# KiCad board AGBM-02_AA_1-1_GBE-plus-CXC.kicad_pcb (continued)
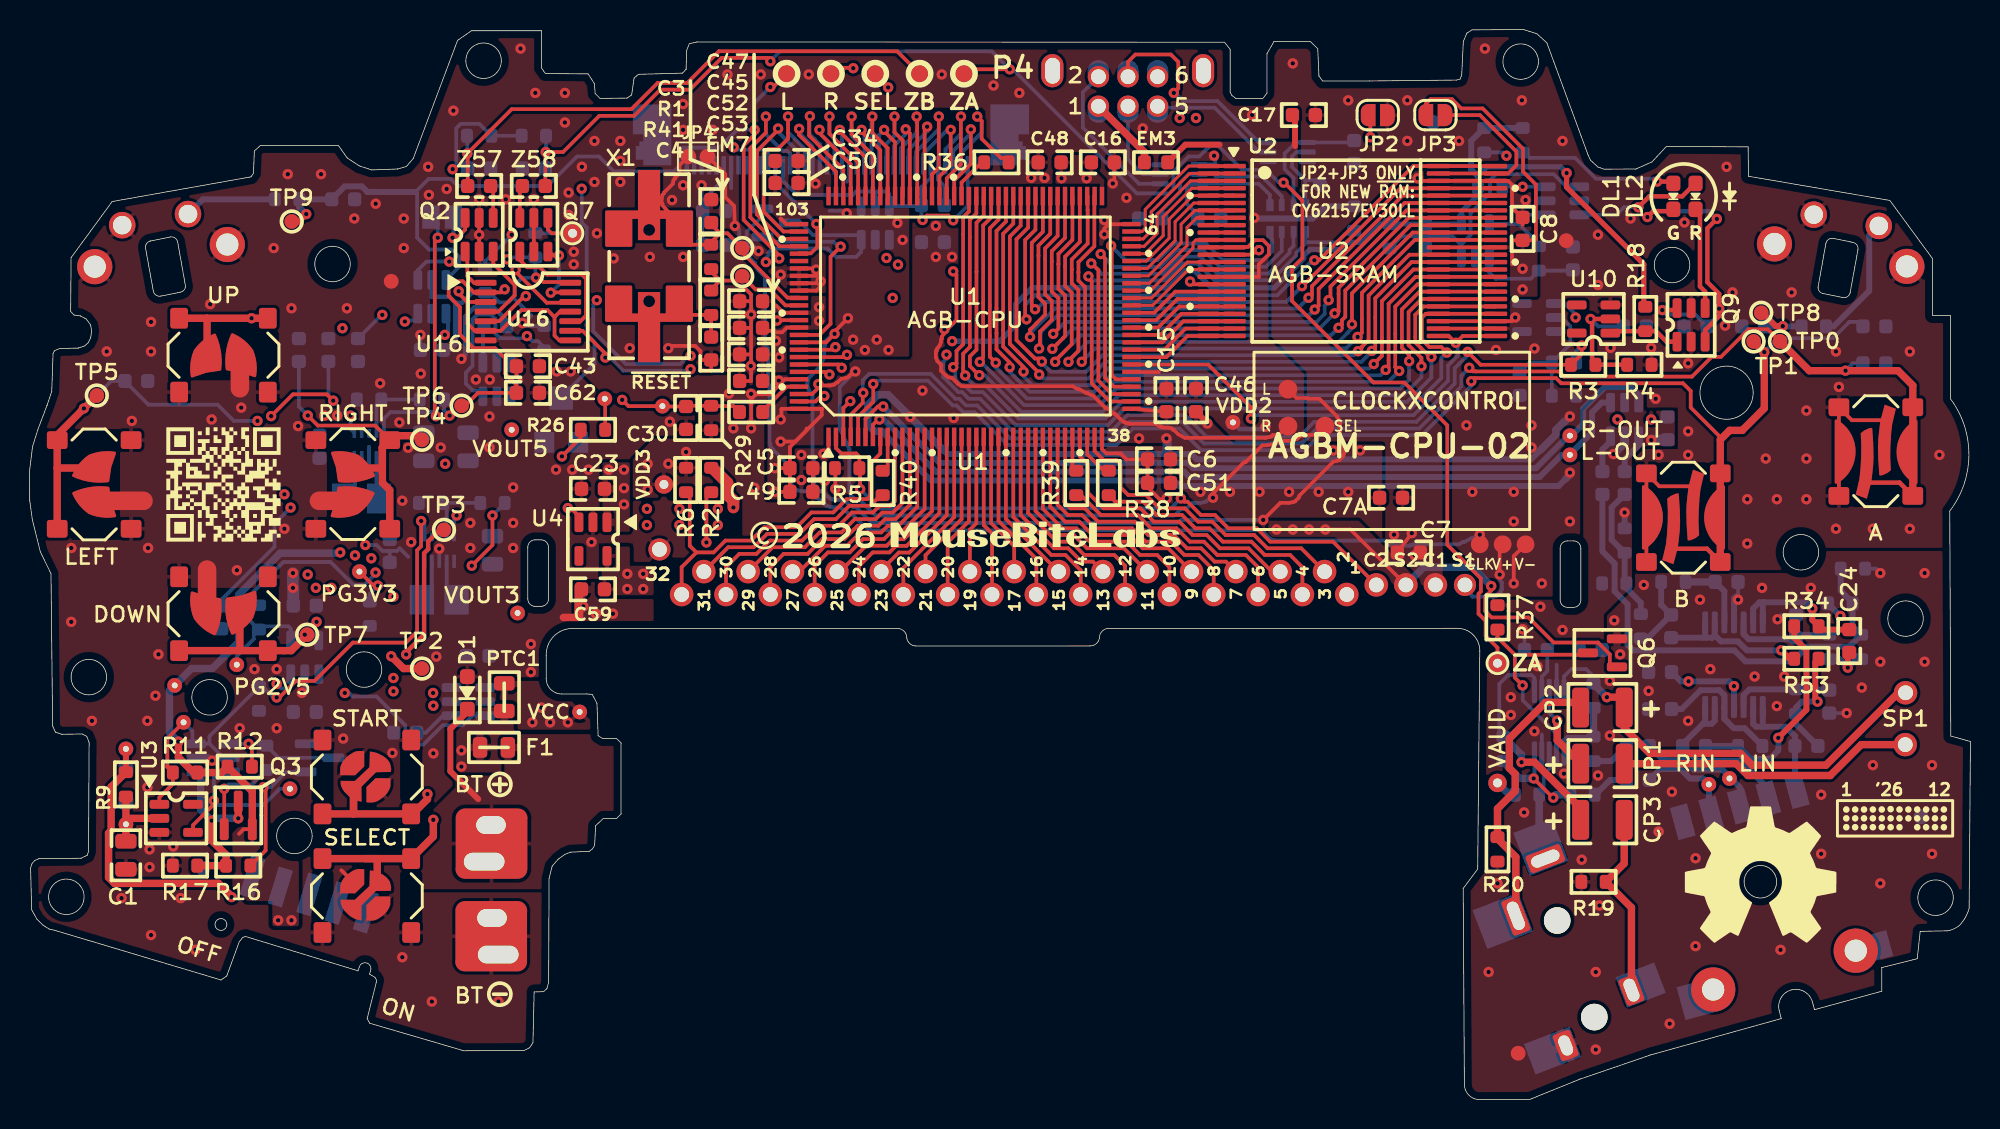
[diagram p0: board, top side]
## Routing (per net, layer and track width the routed paths; a pad name or vN(x,y) marks a point on that pad's centre or on a via; arc(x,y) is an arc through that point) (continued)
  Bottom w0.25: v1(97.55,48.61) 97.55,48.3 94.21,44.96 87.29,44.96 86.28,43.95 79.27,43.95 77.8,45.41 74.65,45.41 73.53,44.29 66.17,44.29 64.66,45.8 63.94,46.52 63.17,46.52 62.72,46.97 62.46,46.97 60.78,48.65 57.31,48.65 v1(57.08,48.43) ; v1(117.37,50.59) 118.31,51.53 122.02,51.53 123.12,52.63 123.75,52.63 C73.2
/CPU/TP2: length 197.1
  Top w0.25: v1(55.87,49.28) 55.77,49.28 55.37,48.88 55.22,48.83 54.97,48.78 54.92,48.78 54.67,48.53 54.62,48.53 54.42,48.38 54.17,48.33 53.52,48.33 53.5,48.29 ; v1(53.37,48.42) 53.5,48.29 53.5,48.29 53.49,48.29 52.95,47.75 52.05,47.75 ; v1(32.89,56.15) 32.89,56.13 32.92,56.1 32.94,56.1 32.98,56.06 32.98,55.93 34.99,53.93 36.53,53.93 U16.12 ; MOD1.1 87.02,44.98 86.27,44.98 86.22,44.93 85.97,44.93 85.77,44.73 85.42,44.58 84.87,44.58 84.72,44.48 84.37,44.48 84.22,44.38 83.72,44.28 83.42,44.28 82.27,43.13 82.17,43.13 80.07,41.03 v1(80.07,40.73) ; v1(58.09,68.5) 57.22,69.37 TP29.1
  Top w0.5: v1(24.47,30) 25.3,29.17 TP2.1 26.78,29.17 ; 19.82,16.3 23.52,16.3 23.52,16.23 23.52,16.23 SW5.2 ; v1(27.32,18.93) 27.32,17.8 25.82,16.3 22.72,16.3
  In1.Cu w0.25: v1(53.37,48.42) 53.55,48.42 53.58,48.4 54.41,48.4 54.86,48.84 55.8,48.84 56.51,49.55 56.61,49.55 56.62,49.55 57.55,49.55 57.55,49.55 58,49.55 58.82,50.37 58.82,52.48 57.72,53.58 57.72,53.97 57.72,54.37 57.72,54.38 57.72,54.63 58.08,54.99 58.08,56.66 57.98,56.76 v1(57.98,56.95) ; v1(24.47,30) 21.12,33.35 21.12,34.93 19.44,36.6 19.44,36.61 19.05,37 19.04,37 17.92,38.13 17.92,39.8 v1(17.66,40.06)
  In1.Cu w0.5: 25.62,20.98 25.62,23.97 ; 25.62,23.98 25.62,28.85 v1(24.47,30) ; 25.62,20.98 25.62,20.6 27.29,18.93 v1(27.32,18.93)
  In2.Cu w0.25: v1(17.66,40.06) 17.85,40.06 17.92,40.12 17.92,44.19 17.02,45.09 17.02,46.08 22.82,51.88 22.82,53.01 23.59,53.78 24.15,53.78 24.55,53.38 31.81,53.38 32.87,54.44 32.87,56.03 32.86,56.04 32.86,56.12 v1(32.89,56.15) 32.89,56.19 33.02,56.33 34.72,56.33 35.31,55.73 41.04,55.73 41.43,56.13 45.74,56.13 49.59,59.98 53.47,59.98 54.6,58.85 55.34,58.85 57.24,56.95 57.93,56.95 57.98,57 v1(57.98,56.95) 58.2,57.18 59.07,57.18 59.62,57.73 63.53,57.73 64.07,58.27 64.07,63.86 65.32,65.12 65.32,66.73 64.52,67.53 59.38,67.53 58.48,68.43 58.17,68.43 v1(58.09,68.5)
  Bottom w0.25: v1(80.07,40.73) 79.87,40.73 79.62,40.48 79.47,40.43 79.22,40.38 78.67,40.38 78.37,40.08 78.12,39.98 77.92,39.98 77.47,39.53 57.27,39.53 57.07,39.68 56.17,40.58 56.02,40.58 55.97,40.63 55.87,40.63 55.72,40.73 55.57,40.88 55.47,41.13 55.47,44.03 55.27,44.38 55.27,44.48 55.02,44.93 55.02,45.03 54.82,45.38 54.82,48.23 v1(55.87,49.28) ; v1(17.66,40.06) 16.57,38.97 16.57,37.41 12.97,33.81 C78.2
/CPU/TP3: length 118.6
  Top w0.25: v1(53.77,47.62) 53.55,47.62 53.18,47.25 52.05,47.25 ; v1(16.34,46.25) 17.82,47.73 20.12,47.73 v1(20.55,47.3)
  Top w0.3: v1(25.48,30.12) 25.48,30.26 26.7,31.47 26.7,36.97 26.97,37.25 26.97,37.78 27.75,38.55 TP3.1
  Top w0.5: 21.92,19.33 21.92,20.93 21.82,21.03 ; 21.92,19.33 21.92,21.03 23.52,22.63 SW5.1 ; 21.92,19.33 SW5.1 25.92,19.33 26.92,20.32 v1(26.92,20.67) ; 21.92,19.33 SW5.1
  In1.Cu w0.25: v1(17.24,40.96) 17.72,40.96 18.37,40.31 18.37,38.31 19.14,37.55 19.14,37.55 21.12,35.57 21.12,35.56 21.57,35.11 21.57,33.54 24.43,30.68 24.93,30.68 v1(25.48,30.12) ; v1(58.4,54.25) 58.4,53.54 59.27,52.67 59.27,50.18 58.19,49.1 57.37,49.1 57.36,49.1 56.8,49.1 56.8,49.1 56.7,49.1 55.99,48.39 55.05,48.39 54.27,47.62 v1(53.77,47.62) 53.68,47.53
  In1.Cu w0.5: 26.32,23.69 26.32,29.47 25.67,30.12 v1(25.48,30.12) ; 26.32,23.68 26.32,21.27 v1(26.92,20.67)
  In2.Cu w0.25: v1(16.34,46.25) 16.57,46.03 16.57,44.9 17.47,44 17.47,40.97 17.45,40.96 v1(17.24,40.96) ; v1(20.55,47.3) 20.55,47.62 23.96,51.03 26.68,51.03 27.38,51.73 28.07,51.73 v1(28.09,51.75) 28.32,51.98 32.39,51.98 33.38,50.99 33.94,50.99 34.33,51.39 34.33,51.71 35.15,52.52 36.06,52.52 36.06,52.52 36.09,52.52 36.54,52.97 37.91,52.97 37.91,52.97 41.03,52.97 41.35,52.65 42.49,52.65 44.16,54.32 46.49,54.32 46.8,54.63 58.02,54.63 58.3,54.35 58.3,54.35 v1(58.4,54.25)
  Bottom w0.25: v1(20.55,47.3) 20.22,47.63 20.22,49.45 ; v1(28.09,51.75) 28.31,51.97 28.31,53.05 U15.1
/CPU/TP4: length 67.7
  Top w0.25: 52.05,49.25 53.82,49.25 53.99,49.07 v1(54.12,49.07) ; SW6.2 23.39,45.61 19.51,45.61 v1(18.83,46.29)
  Top w0.5: 23.87,44.13 23.87,42.74 SW6.2 22.48,42.74 ; 23.87,44.13 SW6.2 24.67,44.93 26.27,44.93 TP4.1 ; 23.87,44.13 23.87,42.41 23.87,41.74 24.37,41.24 SW6.2
  In1.Cu w0.25: v1(44.72,50.33) 44.84,50.33 46.19,48.97 49.37,48.97 50.37,47.98 51.97,47.98 53.14,49.15 53.92,49.15 53.99,49.07 v1(54.12,49.07)
  In2.Cu w0.25: v1(38.38,54.1) 38.32,54.04 38.32,54.1 36.39,54.1 35.72,53.43 35.69,53.43 35.68,53.42 34.75,53.42 34.75,53.42 34.55,53.23 33.02,53.23 32.22,52.43 26.12,52.43 25.17,51.48 23.77,51.48 18.83,46.53 v1(18.83,46.29)
  Bottom w0.25: v1(38.38,54.1) 38.38,54.04 38.14,53.8 38.14,51.98 40.35,49.78 44.02,49.78 44.57,50.33 v1(44.72,50.33) ; 18.22,49.45 18.22,46.9 v1(18.83,46.29)
/CPU/TP5: length 77.5
  Top w0.25: v1(55.31,50.4) 55.15,50.25 52.05,50.25
  Top w0.5: 1.87,42.74 SW6.4 1.87,44.97 TP5.1 ; 1.87,42.74 SW6.4 ; 1.87,42.74 SW6.4
  In1.Cu w0.25: v1(21.17,52.2) 21.17,52.18 21.17,52.18 21.99,52.18 23.59,53.78 27.02,53.78 27.42,53.38 32.58,53.38 32.88,53.68 33.81,53.68 33.82,53.68 36.53,53.68 37.56,52.65 46.75,52.65 48.35,54.25 50.72,54.25 51.77,53.2 51.77,51.92 53.44,50.25 55.15,50.25 v1(55.31,50.4)
  In2.Cu w0.25: v1(15.42,45.93) 15.67,46.18 15.67,46.53 16.06,46.93 17.23,46.93 21.17,50.87 v1(21.17,52.2) ; 3.83,46.93 v1(3.68,46.77)
  Bottom w0.25: v1(3.68,46.77) 5.53,48.63 C75.2 8.04,47.03 12.72,47.03 13.82,45.93 v1(15.42,45.93)
/CPU/TP6: length 74.9
  Top w0.25: v1(32.15,54.84) 32.1,54.79 32.05,54.79 31.88,54.63 U16.2 30.07,54.63 29.31,55.38 28.75,55.38 28.36,54.98 28.36,54.39 29.12,53.63 29.12,51.77 30.04,50.85 31.5,50.85 32.17,50.18 32.17,49.14 32.95,48.37 C62.2 30.34,47.83 29.47,46.96 TP6.1 ; 52.05,50.75 54.35,50.75 v1(54.52,50.92)
  Top w0.5: SW6.1 12.01,52.88 ; 12.01,52.88 SW6.1 ; 12.01,52.88 SW6.1
  In1.Cu w0.25: v1(54.52,50.92) 53.4,50.92 52.22,52.1 52.22,53.39 50.9,54.7 48.17,54.7 46.56,53.1 37.75,53.1 34.55,56.3 33.99,56.3 32.53,54.84 v1(32.15,54.84)
  In2.Cu w0.25: v1(32.15,54.84) 32.15,54.35 31.62,53.83 24.74,53.83 24.33,54.23 23.4,54.23 22.05,52.88 v1(15.02,52.88)
/CPU/TP7: length 77.6
  Top w0.25: 52.05,49.75 54.75,49.75 54.95,49.55 v1(54.95,49.52)
  Top w0.5: 14.23,30.38 SW6.3 ; 14.23,30.38 SW6.3 ; 14.23,30.38 SW6.3 17.7,30.38 TP7.1
  In1.Cu w0.25: v1(23.87,53.1) 23.87,53.14 23.88,53.13 24.16,53.13 24.37,53.33 26.83,53.33 27.24,52.93 32.77,52.93 33.07,53.23 33.63,53.23 36.35,53.23 37.37,52.2 46.94,52.2 48.54,53.8 50.53,53.8 51.32,53.02 51.32,51.73 53.25,49.79 54.68,49.79 v1(54.95,49.52)
  In2.Cu w0.25: 18.72,31.63 18.42,31.93 18.42,33.03 17.14,34.3 17.14,35.91 17.54,36.3 17.55,36.3 18.37,37.13 18.37,44.38 17.47,45.28 17.47,45.89 23.87,52.29 v1(23.87,53.1)
  In2.Cu w0.35: 18.72,31.63 18.72,31.56 v1(18.62,31.46)
  Bottom w0.25: v1(23.87,53.1) 23.82,53.1 C76.2
/CPU/TP8: length 175.9
  Top w0.25: MOD1.3 84.52,44.98 84.12,44.98 84.02,44.88 83.87,44.83 83.62,44.78 78.17,44.78 77.72,45.03 77.42,45.33 77.37,45.33 77.27,45.43 77.02,45.48 76.67,45.48 76.62,45.53 76.52,45.53 76.17,45.73 74.42,45.73 74.37,45.78 74.22,45.78 74.17,45.83 74.07,45.83 73.77,46.08 73.42,46.43 73.32,46.43 73.02,46.73 72.87,46.78 72.82,46.78 71.97,47.63 71.62,47.78 71.57,47.83 71.47,47.83 71.02,48.08 70.92,48.08 70.57,48.28 63.07,48.28 62.82,48.43 62.42,48.83 62.17,48.88 61.97,49.03 61.67,49.33 61.67,49.73 61.42,49.98 61.32,50.23 61.32,50.63 61.37,50.68 61.37,50.78 61.57,51.03 61.67,51.28 61.67,51.43 61.72,51.48 61.72,51.63 61.87,51.83 62.02,51.98 62.09,52.13 ; v1(55.53,47.27) 55.06,46.8 U1.3 ; v1(55.73,69.8) 55.71,69.83 54.62,69.83 TP27.1 ; 62.09,52.13 v1(61.9,52.13) ; 62.09,52.13 62.72,52.75 62.72,55.83 v1(62.49,56.05)
  Top w0.4: v1(118.62,52.34) 118.15,52.34 117.25,53.25 TP8.1
  In1.Cu w0.25: v1(61.9,52.13) 61.67,51.9 61.28,51.9 60.17,50.79 60.17,49.81 58.34,47.98 57.67,47.98 56.81,47.11 55.68,47.11 55.53,47.26 v1(55.53,47.27)
  In2.Cu w0.25: 66.42,65.58 65.77,66.23 65.77,66.91 64.71,67.98 59.57,67.98 57.72,69.83 55.76,69.83 v1(55.73,69.8) ; 66.42,65.58 64.52,63.68 64.52,58.08 v1(62.49,56.05) 62.27,55.83 59.04,55.83 59.04,55.83 58.48,55.83 58.48,55.83 58.45,55.83 58.45,55.83 57.51,55.83 57.51,55.83 57.09,55.83 55.89,57.03 54.6,57.03 53.67,57.95 52.86,57.95 51.73,59.07 49.97,59.07 46.12,55.22 41.81,55.22 41.41,54.83 36.49,54.83 35.53,53.88 35.5,53.88 35.5,53.87 34.94,53.87 34.93,53.88 34.56,53.88 34.38,53.7 32.85,53.7 32.03,52.88 25.62,52.88 v1(25.39,52.65) ; 66.42,65.58 73.47,65.58 76.02,63.03 100.82,63.03 102.72,61.13 109.06,61.13 112.96,57.23 112.96,55.89 116.5,52.34 v1(118.62,52.34)
  Bottom w0.25: U15.3 26.23,53.23 26.22,53.23 26.22,52.73 25.47,52.73 v1(25.39,52.65)
  Bottom w0.4: 118.62,52.33 C63.2 ; 118.62,52.33 118.62,52.34 v1(118.62,52.34) ; 118.62,52.33 R43.2
/CPU/TP9: length 130.2
  Top w0.25: 52.05,51.25 53.89,51.25 v1(54.47,51.82) ; TP28.1 50.32,68.53 v1(50.12,68.53) ; v1(49.06,65.63) 49.06,65.31 48.32,64.57 48.32,59.53 50.72,57.13 v1(50.72,56.92) ; 54.47,51.82 54.57,52.08 v1(55.37,52.88) ; MOD1.2 85.72,47.48 86.47,47.48 86.52,47.43 87.27,47.43 88.47,46.23 88.47,46.18 88.62,45.98 88.62,45.83 88.67,45.78 88.67,44.53 88.87,44.33 88.92,44.18 88.97,43.93 88.92,43.68 88.87,43.53 88.62,43.28 88.47,43.23 88.22,43.18 85.92,40.88 85.87,40.73 85.62,40.48 85.47,40.43 85.22,40.38 84.62,40.38 v1(83.47,39.23)
  Top w0.4: TP9.1 18.22,59.43 v1(18.72,59.93)
  In1.Cu w0.25: v1(50.72,56.92) 50.92,56.92 51.72,56.13 51.72,54.53 52.74,53.5 52.74,52.22 53.14,51.82 v1(54.47,51.82)
  Bottom w0.25: U15.6 29.07,56.36 29.07,57.03 28.57,57.53 27.02,57.53 26.22,58.33 26.22,61.33 26.12,61.43 27,62.3 28.5,62.3 28.98,61.83 35.05,61.83 37.05,63.83 38.52,63.83 39.52,62.83 43.62,62.83 43.92,63.13 43.92,64.13 44.22,64.43 46.67,64.43 47.87,65.63 v1(49.06,65.63) 49.06,67.46 v1(50.12,68.53) ; v1(83.47,39.23) 77.92,39.23 77.77,39.08 77.62,39.03 57.07,39.03 56.72,39.28 55.92,40.08 55.67,40.13 55.37,40.33 55.12,40.58 54.42,40.58 54.37,40.63 54.22,40.63 54.02,40.78 53.62,41.18 53.52,41.18 53.27,41.33 53.07,41.68 53.07,43.38 53.02,43.43 52.97,43.68 52.97,47.73 52.72,48.03 52.67,48.18 52.62,48.43 52.67,48.68 52.72,48.83 53.47,49.58 53.47,49.68 53.72,50.13 53.77,50.38 53.77,50.98 53.82,51.03 53.82,51.23 53.92,51.38 55.07,52.58 v1(55.37,52.88)
  Bottom w0.4: 26.12,61.43 22.85,61.43 22.85,61.44 22.49,61.8 21.32,61.8 C64.2 R44.2 18.24,60.4 v1(18.72,59.93)
/CPU/VCNT5: length 13.5
  Top w0.25: v1(54.88,57.72) 54.78,57.63 54.2,57.04 54.2,52.5 53.44,51.75 52.05,51.75
  Bottom w0.25: Q8.1 49.73,58.23 50.22,58.23 50.4,58.05 54.4,58.05 54.72,57.73 54.88,57.73 v1(54.88,57.73)
/CPU/VSHD: length 58.2
  Top w0.25: v1(62.49,59.51) 62.17,59.83 60.72,59.83 v1(60.42,59.53)
  In1.Cu w0.25: v1(60.42,59.53) 57.12,62.83 43.72,62.83 41.59,60.7 34.89,60.7 32.82,58.63 32.72,58.63 v1(32.62,58.53)
  Bottom w0.25: P2.27 50.97,62.18 51.92,61.23 55.69,61.23 55.92,61.45 57.05,61.45 57.22,61.28 U12.5 57.22,61.33 57.35,61.45 57.99,61.45 58.17,61.28 U12.6 60.28,60.46 C14.1 ; v1(32.62,58.53) 32.7,58.45 32.54,58.45 30.82,56.73 R67.2 ; v1(62.49,59.51) 62.5,59.51 63.47,60.48 P2.2 ; v1(60.42,59.53) 60.34,59.6 C14.1 ; P2.7 60.97,62.38 60.34,61.75 C14.1
/CPU/~{CS}: length 16.2
  Top w0.25: P1.5 83.12,36.03 82.29,36.85 80.36,36.85 79.46,37.75 78.51,37.75 77.6,38.66 75.88,38.66 74.98,39.56 72.48,39.56 71.14,40.9 R39.1
/CPU/~{CS}_{0}: length 2.4
  Top w0.25: 70.82,42.55 70.56,42.81 U1.34
/CPU/~{LB}: length 7.9
  Top w0.203: 79.72,56.18 78.41,56.18 75.98,53.75 U1.53
  Top w0.25: U2.15 U2.15
/CPU/~{OE}_{RAM}: length 58.9
  Top w0.25: U1.83 63.56,60.11 63.17,59.72 63.17,58.56 63.17,58.56 63.17,51.12 62.72,50.67 62.72,49.79 v1(62.49,49.56) ; v1(95.89,50.55) 95.52,50.93 94.71,50.93 94.21,51.43 94.21,52.92 94.46,53.18 U2.28 99.18,53.18 99.19,53.17
  Bottom w0.25: v1(95.89,50.55) 95.52,50.19 95.52,49.97 95.52,49.97 95.52,48.83 93.46,46.77 74.09,46.77 72.97,45.64 66.73,45.64 65.82,46.55 64.5,47.88 63.73,47.88 63.28,48.33 63.02,48.33 62.63,48.72 62.63,49.43 v1(62.49,49.56)
/CPU/~{RD}: length 19.2
  Top w0.25: U1.35 71.06,43.54 71.62,42.98 71.62,41.06 72.67,40.01 75.16,40.01 76.07,39.11 77.79,39.11 78.69,38.21 79.65,38.21 80.55,37.3 82.48,37.3 84.06,35.73 P1.4
/CPU/~{UB}: length 7.9
  Top w0.203: 79.72,56.68 78.34,56.68 75.91,54.25 U1.54
  Top w0.25: U2.14 U2.14
/CPU/~{WE}_{RAM}: length 8.5
  Top w0.203: U1.55 75.84,54.75 78.72,57.63 78.72,57.98 78.92,58.18 79.72,58.18
  Top w0.25: U2.11 U2.11
/CPU/~{WR}: length 17
  Top w0.25: P1.3 86.12,36.02 85.29,36.85 83.57,36.85 82.67,37.75 80.74,37.75 79.83,38.66 78.88,38.66 77.98,39.56 76.25,39.56 75.35,40.46 73.46,40.46 R38.1
/CPU/~{WR}_{0}: length 3.1
  Top w0.25: U1.36 71.56,43.67 72.68,42.55 73.02,42.55
/D1A: length 22.5
  Top w0.3: Q9.6 111.36,53.56 111.22,53.43 v1(110.47,53.43) ; v1(114.16,59.6) 113.52,58.96 113.52,55.33 114.32,54.53 v1(114.32,53.53) 114.32,53.03 113.37,52.08 Q9.3 ; v1(109.46,59.73) 109.86,60.13 111.09,60.13 DL1.1
  Bottom w0.25: v1(114.32,53.53) 114.32,53.15 C68.1 112.69,53.13 110.75,53.13 110.47,53.4 v1(110.47,53.43)
  Bottom w0.3: v1(109.46,59.73) 109.86,60.13 113.62,60.13 114.16,59.58 v1(114.16,59.6)
/DL1A: length 11
  Top w0.3: DL1.2 111.09,62.13 v1(110.12,62.13)
  Bottom w0.25: v1(110.12,62.13) 109.92,62.33 105.97,62.33 104.57,63.73 101.5,63.73 101.12,64.1
/DL2A: length 20.7
  Top w0.3: DL2.2 112.69,62 111.82,61.13 109.59,61.13 v1(108.85,60.38)
  In1.Cu w0.25: v1(99.92,63.88) 103.42,60.38 v1(108.85,60.38)
  Bottom w0.25: Q5.6 107.37,59.88 107.88,60.38 v1(108.85,60.38) ; R10.2 99.7,64.1 v1(99.92,63.88)
/EN: length 38.4
  Top w0.25: v1(26.5,39.15) 26.5,37.45 26.22,37.17 26.22,31.67 25.47,30.92 21.87,30.92 19.28,28.33 18.02,28.33 16.84,27.15 16.81,27.15 16.75,27.21 v1(16.72,27.21) ; U3.1 8.78,20.44 9.7,21.35 R11.2 9.32,22.5 9.32,24.43 TP24.1
  Bottom w0.25: v1(26.5,39.15) 26.72,38.93 U13.1 ; 12.17,24.08 12.17,24.58 15.52,27.93 R24.1 15.76,27.95 16.5,27.21 v1(16.72,27.21) ; 12.17,24.08 13.12,23.13 Q10.5 ; 12.17,24.08 Q10.3 10.82,24.08 11.02,24.28 11.02,24.93 TP24.1
/PG_{2V5}: length 68.4
  Top w0.25: v1(36.42,40.03) 36.62,40.03 37.17,39.48 U4.3
  In1.Cu w0.25: 23.8,37.69 23.8,37.7 25.37,39.28 25.37,39.62 26.03,40.28 28.06,40.28 36.17,40.28 v1(36.42,40.03) ; 23.8,37.69 23.8,36.05 v1(23.41,35.67) ; 23.8,37.69 21.72,39.77 v1(21.72,46.29) ; TP30.1 14.4,29.8 19.04,29.8 v1(21.33,27.51)
  Bottom w0.25: v1(21.72,46.29) 21.72,45.37 21.97,45.12 U5.1 ; v1(21.33,27.51) 21.63,27.51 21.87,27.27 23.48,27.27 25.42,25.33 25.42,24.34 25.74,24.03 26.65,24.03 27.96,25.33 29.32,25.33 29.97,25.98 U18.3 ; R8.2 15.17,31.45 15.17,31.16 14.02,30.01 TP30.1 ; R8.2 15.75,32.03 17.52,32.03 17.67,31.88 U8.4 ; R8.2 14.72,32.6 14.72,33.93 17.17,36.38 20.37,36.38 21.92,34.83 22.66,34.83 23.41,35.58 v1(23.41,35.67)
/PG_{3V3}: length 25.3
  Top w0.25: TP23.1 23.22,34.83 23.52,34.83 v1(23.57,34.78)
  In1.Cu w0.25: v1(28.89,39.53) 28.59,39.83 27.87,39.83 26.22,39.83 25.82,39.43 25.82,39.09 24.25,37.52 24.25,35.46 v1(23.57,34.78)
  In2.Cu w0.25: TP23.1 21.52,34.93 21.52,33.33 17.4,29.2 17.4,28.85 16.72,28.17 v1(16.72,28.13)
  Bottom w0.25: v1(23.57,34.78) 23.57,34.77 23.02,34.23 R13.1 ; v1(16.72,28.13) 17.02,27.83 17.52,27.83 17.67,27.98 U8.3 ; U13.5 28.72,39.35 v1(28.89,39.53)
/VFILT: length 7.1
  Top w0.25: 6.62,19.03 6.52,18.93
  Top w0.5: 6.52,17.3 R9.2 ; U3.2 6.62,19.03
  Bottom w0.25: 6.52,20.23 TP26.1
/~{MR}: length 11.4
  Top w0.25: U3.4 11.06,18.56 12.47,19.98 v1(12.47,20.23)
  Bottom w0.25: TP17.1 16.92,21.03 15.82,19.93 12.77,19.93 v1(12.47,20.23) 12.47,21.93 12.72,22.18 Q10.6
/~{RESET}: length 41.4
  Top w0.25: 42.62,46.73 42.42,46.93 ; 42.42,46.93 40.52,46.93 v1(40.1,47.35) 40.1,47.3 ; 42.42,46.93 TP15.1 ; 42.42,46.93 42.45,46.9 C30.2 44.47,46.95 R29.1 46.14,46.93 47.63,46.93 EM7.1 ; v1(27.62,58.33) 27.42,58.13 27.42,51.47 27.42,46.33 v1(27.5,46.25)
  In2.Cu w0.25: v1(27.5,46.25) 27.5,46.57 28.06,47.13 38.02,47.13 38.62,46.53 39.27,46.53 v1(40.1,47.35)
  Bottom w0.25: U5.5 23.97,46.08 24.42,46.53 27.22,46.53 v1(27.5,46.25) ; v1(27.62,58.33) 27.62,59.26 JP1.2
/~{VCNT5}: length 45.4
  In2.Cu w0.25: v1(49.82,56.68) 48.21,56.68 46.3,54.77 43.98,54.77 42.3,53.1 41.54,53.1 41.22,53.42 38.1,53.42 36.35,53.42 35.91,52.98 35.87,52.98 35.87,52.97 34.96,52.97 v1(33.66,51.67)
  Bottom w0.25: U11.3 30.67,47.98 29.99,47.98 29.52,48.45 29.52,49.21 29.97,49.65 29.97,52.81 30.29,53.13 31.22,53.13 31.52,52.83 31.52,51.83 31.82,51.53 33.48,51.53 33.62,51.67 v1(33.66,51.67) 33.68,51.67 34.02,51.33 34.39,51.33 35.02,50.7 ; Q8.3 52.19,59.33 53.01,58.5 56.27,58.5 U12.3 56.27,57.38 55.92,57.03 54.57,57.03 54,57.6 50.29,57.6 50,57.3 50,57.15 49.82,56.97 v1(49.82,56.68)
CXC_CLK: length 73.5
  Top w0.25: v1(98.12,38.23) TP83.1 ; JP4.2 47.07,62.63 47.07,61.08 47.67,60.48 v1(47.72,59.13)
  Bottom w0.25: v1(98.12,38.23) 98.07,38.23 97.62,37.98 97.52,37.98 97.07,37.73 96.97,37.73 96.72,37.58 93.62,37.58 93.57,37.53 93.42,37.53 93.37,37.48 92.32,37.48 92.07,37.53 91.92,37.58 91.67,37.83 84.37,37.83 84.12,37.88 83.97,37.93 83.52,38.38 83.32,38.53 56.92,38.53 56.77,38.58 56.47,38.83 56.42,38.83 55.62,39.63 55.52,39.63 55.37,39.68 55.12,39.88 55.07,39.88 54.87,40.08 54.32,40.08 54.07,40.13 53.92,40.18 53.77,40.33 53.72,40.33 53.37,40.68 53.22,40.73 53.12,40.83 52.97,40.88 52.67,41.18 52.22,41.18 51.97,41.23 51.82,41.28 51.67,41.43 51.52,41.63 51.52,41.78 51.47,41.83 51.47,42.83 50.27,44.03 50.12,44.23 50.12,44.38 50.07,44.43 50.07,48.13 50.02,48.38 49.97,48.43 49.97,50.83 49.82,50.98 49.82,51.08 49.77,51.13 49.77,55.68 49.27,56.18 49.12,56.38 49.12,56.48 49.07,56.63 48.67,57.03 48.62,57.18 48.17,57.63 48.02,57.83 48.02,58.88 v1(47.72,59.13)
SW: length 139.1
  Top w0.25: v1(105.02,51.03) 105.02,50.45 R3.1 98.18,49.73 v1(97.3,50.6) ; 14.17,17.98 14.48,18.29 Q3.2
  Top w0.5: v1(10.07,24.22) 10.07,23.15 11.1,22.13 R11.1 13,22.13 R12.1 15.07,20.85 Q3.2
  In2.Cu w0.25: v1(21.02,37.03) 21.02,37.43 23.12,39.53 25.91,39.53 26.82,40.43 26.82,46.53 27.22,46.93 27.87,47.58 37.79,47.58 38.54,48.33 40.08,48.33 40.65,47.75 46.3,47.75 46.99,48.45 47.04,48.45 47.04,48.45 47.6,48.45 47.61,48.45 49.52,48.45 50.4,49.33 53.05,49.33 53.79,50.07 53.79,52.1 54.19,52.5 54.75,52.5 55.12,52.13 60.62,52.13 62.04,50.7 v1(62.04,50.41)
  Bottom w0.25: 104.44,49.88 104.64,50.08 104.64,50.65 v1(105.02,51.03) ; v1(62.04,50.41) 62.04,50.15 61.82,49.93 61.82,48.9 62.84,47.88 63.1,47.88 63.55,47.42 64.31,47.42 65.56,46.17 66.54,45.19 73.15,45.19 74.28,46.32 78.17,46.32 79.64,44.85 85.91,44.85 86.92,45.87 93.83,45.87 96.42,48.45 96.42,49.49 96.73,49.8 96.73,49.8 97.13,50.2 97.13,50.2 97.3,50.37 v1(97.3,50.6)
  Bottom w0.5: v1(10.07,24.22) 9.47,24.82 9.47,27.68 TP20.1 10.96,29.17 12.36,29.17 14.14,30.95 14.14,34.17 16.96,36.98 20.97,36.98 v1(21.02,37.03)
  vias: v1(16.82,12.13) v1(17.72,12.13)
VAUD: length 14.3
  Bottom w0.25: R46.1 121.69,33.55 ; U6.9 103.32,29.43
  Bottom w0.4: U9.5 107.92,44.33 107.29,43.69 107.19,43.69 v1(107.17,43.68) ; v1(109.72,44.63) 109.75,44.65 ; 121.69,33.55 v1(122.52,32.73) ; U7.4 v1(115.32,27.98) 114.99,28.3 111.72,28.3 C36.1 ; 107.92,38.65 v1(107.92,39.73)
  Bottom w0.5: TP22.1 100.12,20.63 100.5,20.63
  Bottom w0.7: 109.75,44.65 C9.1
  vias: v1(40.45,35.58) v1(40.45,34.55) v1(41.52,35.58) v1(41.52,34.55) v1(102.22,33.35) v1(103.72,31.78) v1(112.25,28.3)
VOUT3: length 5.2
  Top w0.25: v1(29.92,36.13) 31.32,37.53 v1(31.32,39.53)
  Bottom w0.25: R72.1 32.15,40.35 v1(31.32,39.53)
  vias: v1(39.17,42.63) v1(40.22,42.63) v1(40.22,41.38) v1(40.22,40.28)
VOUT5: length 105.4
  Top w0.35: v1(104,62.7) 104,61.75 109.22,56.53 109.22,53.75 109.32,53.65
  In1.Cu w0.35: TP13.1 39.17,45.33 41.67,47.83 46.14,47.83 46.94,47.03 49.97,47.03 51.61,47.03 52.7,47.03 53.29,46.44 53.41,46.44 53.42,46.43 56.02,46.43 57.22,45.23 57.84,45.23 58.52,45.91 58.52,47.45 60.67,49.6 60.67,50.59 61.41,51.33 v1(62.42,51.33) 61.57,51.33
  Bottom w0.25: R59.1 28.04,46.66 v1(28.42,46.29)
  Bottom w0.35: v1(62.42,51.33) 65.62,51.33 66.72,52.43 66.72,52.63 66.72,52.63 66.72,53.84 67.55,54.66 67.82,54.94 77.07,54.94 78.22,56.09 78.82,56.09 79.97,54.94 84.22,54.94 86.2,56.92 86.2,57.1 86.63,57.53 87.23,57.53 87.23,57.53 88.65,57.53 89.15,58.03 90.14,58.03 90.22,58.03 91.44,59.25 R65.1 96.86,59.25 U14.4 96.87,60.08 97.87,61.08 97.87,61.6 98,61.73 98,62.5 98.62,63.13 103.57,63.13 v1(104,62.7)
  Bottom w0.4: R25.1 R10.1 97.54,64.88 97.54,62.95 98,62.5
  vias: v1(28.12,43.03)
Net-(BT1-+): length 7.2
  Top w0.4: 30.36,20.33 28.47,22.22 28.47,25.08 29.61,26.22 29.62,26.22
Net-(C4-Pad1): length 6.5
  Top w0.25: C4.1 46.12,53.1 43.84,53.1 43.67,52.93 42.02,52.93 41.91,52.82 41.91,52.14
  vias: v2(41.92,54.03)
Net-(C24-Pad1): length 3.6
  Top w0.4: C24.1 123.02,30.15 v1(123.02,29.23)
  Bottom w0.4: 121.82,29.8 122.44,29.8 v1(123.02,29.23) 123.59,29.8 R42.1
Net-(C25-Pad2): length 33
  Bottom w0.4: 122.5,35.93 122.55,35.88 122.55,34.43 123.34,33.63 123.34,32.03 R42.2 123.12,30.65 120.29,30.65 119.28,29.65 116.1,29.65 115.35,30.4 108.49,30.4 108.12,30.77 108.12,33.51 107.24,34.39 107.24,36.28 106.42,37.1 C25.2
Net-(C28-Pad1): length 15.1
  Top w0.4: v1(118.32,24.48) 120.22,26.38 120.22,30.43 119.39,31.25 R34.1
  Bottom w0.4: v1(118.32,24.48) 118.32,23.63 117.74,23.05 116.47,23.05 R48.1 C28.1
Net-(C29-Pad2): length 9.3
  Bottom w0.4: C29.2 107.04,40.08 107.04,37.88 R50.2 107.92,35.05 R49.1 108.05,34.6 109.02,33.63 R51.2
Net-(C32-Pad1): length 5.2
  Bottom w0.4: R51.1 109.47,31.2 C32.1 110.39,33.48 R52.1
Net-(C35-Pad1): length 7.9
  Top w0.4: R53.1 120.82,29.6 120.82,27.12 121.02,26.93 v1(120.97,26.93)
  Bottom w0.4: v1(120.97,26.93) 119.92,26.93 119.52,26.53 R54.1 119.52,25.4 C35.1
Net-(C55-Pad2): length 2.5
  Bottom w0.4: 105.94,20.63 106.94,21.63 C55.2
Net-(C56-Pad2): length 2.6
  Bottom w0.4: R30.2 107.02,22.9 C56.2
Net-(C70-Pad1): length 38.3
  Top w0.25: TP10.1 58.7,70.94 46.64,70.95 44.49,68.8 42.59,68.8 42.49,68.8 40.72,67.03 32.62,67.03 v1(29.62,64.03) 29.64,64 29.64,62.03
  Bottom w0.25: C70.1 29.64,63.05 29.62,63.08 v1(29.62,64.03) 29.62,65.2 R70.2
Net-(C71-Pad1): length 108.3
  Top w0.25: Z58.2 34.89,64.13 v1(34.92,64.13) 36.09,64.13 38.54,66.58 40.91,66.58 42.68,68.35 44.68,68.35 46.83,70.5 49.9,70.5 v1(50.12,70.27) ; TP31.1 63.52,69.73 v1(66.32,69.73) ; v1(84.84,62.06) 84.86,62.04 84.91,62.04 86.12,60.83 86.12,56.95 85.42,56.25 85.42,55.13 85.42,55.12 85.42,54.77 85.42,54.77 85.42,54.04 90.93,48.53 93.02,48.53 95.92,45.63 95.92,37.55 98.2,35.27 98.2,34.38 98.04,34.22 98.04,32.87 98.52,32.39 98.52,31.38 99.32,30.58 TP11.1
  Bottom w0.25: C71.1 34.92,63.05 v1(34.92,64.13) 34.95,64.15 R71.2 ; v1(84.84,62.06) 84.84,62.08 84.86,62.09 84.49,62.09 83.66,62.93 82.05,62.93 80.42,64.55 79.86,64.55 79.47,64.16 79.47,64.16 79.14,63.83 78.42,63.83 77.4,62.8 77.4,61.6 77.12,61.33 74.92,61.33 66.52,69.73 v1(66.32,69.73) 65.11,70.94 54.52,70.95 50.79,70.95 v1(50.12,70.27)
Net-(CP1-Pad2): length 20.2
  Top w0.5: SP1.2 123.93,24.02 121.84,21.93 116.26,21.93 115.46,22.73 CP1.2
Net-(CP2-Pad2): length 19.1
  Top w0.5: 99.32,17.65 100.56,16.41 P3.2 ; R20.1 99.32,19.68 100.52,20.88 100.52,22.03 100.12,22.43 100.12,24.43 102.57,26.88 104.64,26.88 104.97,26.55 104.94,26.53
Net-(CP3-Pad2): length 12.8
  Top w0.5: P3.3 108.38,12.99 R19.1 107.89,15.98 CP3.2
Net-(DL2-K): length 7.1
  Top w0.3: DL2.1 113.02,59.95 113.02,55.03 113.37,54.68 Q9.4 113.37,53.66
Net-(JP1-A): length 3.4
  Top w0.25: 29.47,59.76 29.47,58.88 28.92,58.33 v1(28.62,58.33)
  Bottom w0.25: v1(28.62,58.33) 28.68,58.39 JP1.1
Net-(JP2-B): length 20.9
  Top w0.25: U2.17 U2.17 78.71,55.18 v1(78.52,55.36) ; v1(90.72,65.13) 90.72,66.48 JP2.2
  In1.Cu w0.25: v1(78.52,55.36) 79.86,55.36 89.62,65.13 v1(90.72,65.13)
Net-(JP3-B): length 12.3
  Top w0.25: U2.47 100.04,62.68 100.6,63.23 100.6,64.16 98.13,66.63 JP3.2 ; 99.19,62.67 99.18,62.68 U2.47
Net-(P4-VDD35): length 5.1
  Top w0.5: P4.1 75.43,64.11 EM3.2
Net-(Q1-B): length 9.1
  Top w0.25: v1(15.82,21.13) 15.97,20.98 15.97,16.85 R16.2
  Bottom w0.25: v1(15.82,21.13) 16.32,21.13 17.37,22.18 Q1.1
Net-(Q1-C): length 9.3
  Top w0.25: v1(14.82,24.08) 15.04,23.85 15.04,22.73 14.85,22.53
  Bottom w0.25: R15.2 15.9,24.08 v1(14.82,24.08) Q10.4 ; R15.2 16.14,24.08 ; R15.2 16.84,23.13 Q1.3
Net-(Q2A-G): length 3.2
  Top w0.25: U16.1 30.07,55.28 29.62,55.73 29.62,57.34 29.47,57.49
Net-(Q2B-G): length 6.1
  Top w0.25: 31.37,57.49 31.37,56.58 32.82,55.13 32.82,54.43 31.72,53.33 U16.4
Net-(Q3-B): length 6.1
  Top w0.25: v1(13.17,21.03) Q3.1
  Bottom w0.25: v1(13.17,21.03) 13.46,21.31 15.03,21.31 R15.1
Net-(Q5A-G): length 6.4
  Bottom w0.25: 102.32,57.55 R64.1 102.12,57.89 100.75,59.26 ; U14.5 100.72,59.26 101.33,59.88 Q5.1
Net-(Q5B-D): length 18.9
  Bottom w0.25: 92.02,57.6 92.84,58.43 96.27,58.43 96.87,57.83 U14.3 96.87,57.88 97.5,58.5 97.5,59.99 98.37,60.87 98.37,60.88 98.82,61.33 98.82,62.23 99.22,62.63 103.12,62.63 103.97,61.78 Q5.4
Net-(Q5B-G): length 15.4
  In1.Cu w0.25: v1(101.02,61.78) 101.39,61.78 104.62,58.54 104.62,52.94 v1(104.6,52.93)
  Bottom w0.25: v1(104.6,52.93) 104.6,53.14 103.87,53.88 U17.1 ; Q5.3 v1(101.02,61.78) 99.69,61.78 R66.2
